# KiCad board 2000ATX.kicad_pcb (continued)
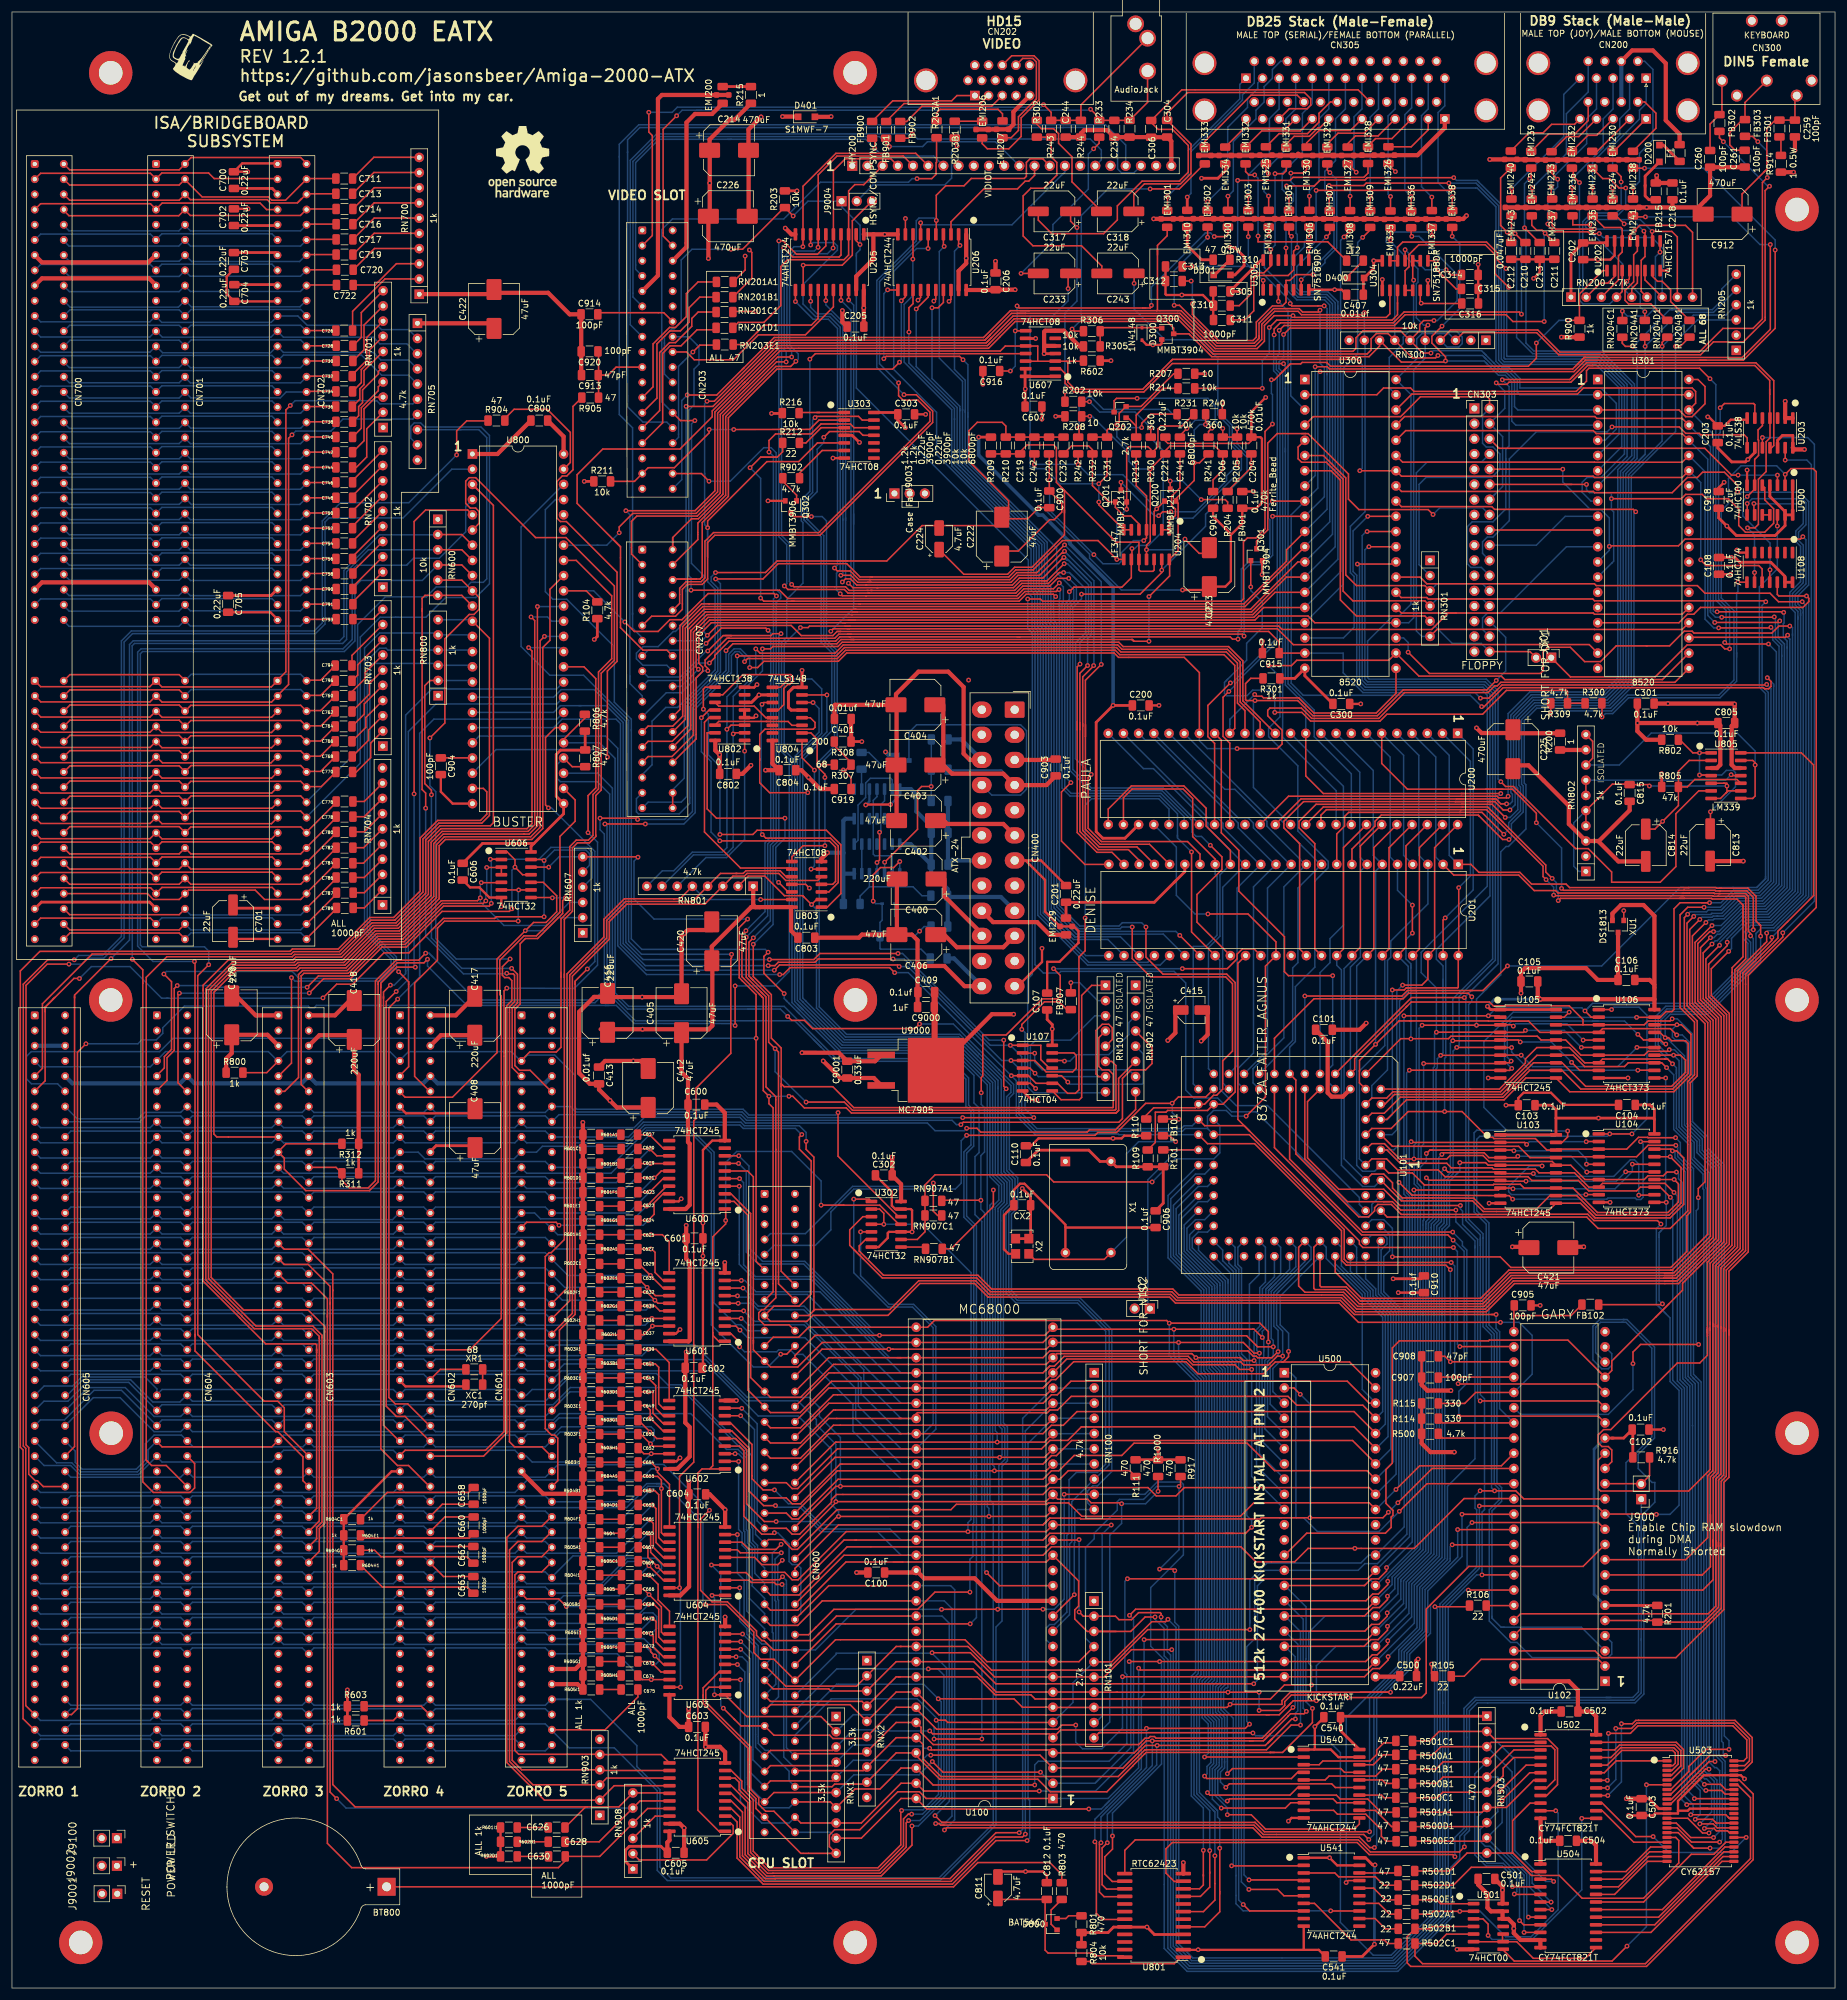
[diagram p0: board, top side]
## Routing (per net, layer and track width the routed paths; a pad name or vN(x,y) marks a point on that pad's centre or on a via; arc(x,y) is an arc through that point) (continued)
  Bottom w0.25: v1(54.28,31.65) 55.85,30.07 RN908.5 ; 3.78,121.89 4.76,120.91 23.12,120.91 24.1,121.89 25.08,120.91 43.44,120.91 44.42,121.89 45.4,120.91 63.76,120.91 64.74,121.89 65.72,120.91 84.08,120.91 85.06,121.89
BFC2: length 249.2
  Top w0.25: 52.73,24.18 56.79,20.12 91.36,20.12 92.51,21.26 C630.2 98.27,22 RN908.4 106.27,30 U605.17 ; CN603.35 46.11,117.79 50.1,117.79 52.73,115.16 52.73,112.13 ; 52.73,112.49 52.73,112.13 ; 52.73,112.13 52.73,24.2
  Bottom w0.25: 85.06,119.35 84.08,118.37 65.72,118.37 64.74,119.35 63.76,118.37 45.4,118.37 44.42,119.35 43.44,118.37 25.08,118.37 24.1,119.35 23.12,118.37 4.76,118.37 3.78,119.35
C1: length 356.6
  Top w0.25: 199.9,179.48 v1(199.95,179.48) 206.65,179.48 211.33,174.8 U201.36 209.57,170.76 209.57,148.92 v1(206.35,145.69) ; 173.92,156.26 177.53,156.26 177.94,155.85 177.94,153.71 177.33,153.1 172.9,153.1 171.01,154.99 U107.3 v1(167.03,154.99) ; U102.28 251.07,102.09 v1(241.21,102.09) 238.57,102.09 C907.1 ; v1(240.62,121.24) 223.28,121.24 222.74,121.78 222.74,126.74 206.88,142.6 U101.40 ; v1(127.46,170.08) 128.34,170.96 148.07,170.96 v1(148.34,170.69)
  Bottom w0.25: 94.91,212.03 101,212.03 101.73,211.29 101.73,174.35 106.01,170.08 v1(127.46,170.08) ; 94.91,212.03 91.98,212.03 90.56,210.62 U800.19 ; 94.91,212.03 95.06,212.03 ; v1(148.34,170.69) 149.78,170.69 150.08,170.4 ; 199.88,143.63 199.88,145.63 200.88,146.64 203.03,146.64 203.97,145.69 v1(206.35,145.69) ; 199.88,143.63 196.16,143.63 195.68,143.15 171.17,143.15 168.36,145.96 168.36,153.66 v1(167.03,154.99) 165.48,154.99 150.08,170.4 ; 199.88,143.63 U101.40 ; v1(241.21,102.09) 241.21,120.65 v1(240.62,121.24) ; v1(199.95,179.48) 197.78,179.48 194.67,182.58 194.67,190.64 U200.28 ; 150.08,170.4 149.87,170.6
C3: length 334.8
  Top w0.25: C908.1 239.57,105.56 v1(240.49,104.65) 251.05,104.65 U102.27 ; U101.39 199.88,141.09 207.75,141.09 222.29,126.55 222.29,121.59 223.09,120.79 239.74,120.79 v1(240.49,120.04) ; v1(147.57,169.67) 146.74,170.51 130.1,170.51 128.95,169.35 v1(128.36,169.35) ; v1(179.43,178.82) 179.43,173.33 178.39,172.29 178.39,150.09 177.8,149.5 176.48,149.5 174.8,151.18 171.22,151.18 169.95,152.45 U107.5 v1(167.08,152.45)
  Bottom w0.25: 94.98,209.2 99.23,209.2 101.28,207.15 101.28,174.17 106.1,169.35 v1(128.36,169.35) ; 94.98,209.2 78.11,209.2 U800.20 ; 94.98,209.2 95.37,209.2 ; v1(240.49,120.04) v1(240.49,104.65) ; v1(179.43,178.82) 179.43,197.66 180.49,198.73 191.72,198.73 193.45,197 U200.29 ; U101.39 185.06,142.6 184.96,142.7 170.99,142.7 167.91,145.78 167.91,151.62 v1(167.08,152.45) 149.86,169.67 v1(147.57,169.67)
D0: length 516.5
  Top w0.25: v1(122.15,59.16) U603.9 ; U300.33 232.32,250.08 264.38,250.08 264.59,249.88 277.58,249.88 280.12,252.42 281.78,252.42 282.65,253.29 286.31,253.29 288.49,251.1 v1(288.49,249.99) ; 186.05,11.46 182.35,11.46 181.31,12.5 181.31,24.18 v1(181.05,24.43) ; v1(153.44,42.96) 153.93,42.47 173.41,42.47 U100.5 175.32,43.11 189.41,43.11 v1(189.68,43.39) 206.2,43.39 v1(206.91,44.09) ; U106.2 264.03,162.23 v1(262.99,163.27) ; CN600.75 126.81,39.7 137.21,39.7 RNX1.3 137.38,40.7 ; U105.2 248.61,162.46 v1(246.84,162.46) v1(232.72,162.46)
  Bottom w0.25: v1(153.44,42.96) 143.97,42.96 143.8,43.14 140.65,43.14 RNX1.3 ; 183.1,30.26 182.94,30.1 ; 183.1,30.26 181.05,28.21 v1(181.05,24.43) ; 183.1,30.26 189.68,36.84 v1(189.68,43.39) ; U500.14 225.06,69.8 226.19,70.92 228.29,70.92 233.22,75.85 233.22,131.57 ; 122.17,59.16 124.33,57 124.33,40.23 CN600.75 ; v1(262.99,163.27) 264.26,164.54 282.83,164.54 290.23,171.94 290.23,174.56 289.5,175.28 289.5,176.35 290.75,177.6 294.35,177.6 299.49,182.73 299.49,229.79 ; v1(262.99,163.27) 262.47,163.79 248.17,163.79 v1(246.84,162.46) ; v1(262.99,163.27) 264.07,164.35 ; 299.49,229.79 299.49,230.4 298.59,231.3 298.59,232.65 300.39,234.45 300.39,248.4 300.36,248.4 298.82,249.95 288.46,249.95 ; 299.49,229.79 299.49,230.02 ; 233.22,131.57 233.22,132.18 232.72,132.68 v1(232.72,162.46) ; 233.22,131.57 233.22,131.47 ; 212.8,69.8 209.23,69.8 207.77,68.34 207.77,58.37 206.44,57.04 206.44,44.56 v1(206.91,44.09)
D1: length 469.4
  Top w0.25: 210.36,42.42 210.34,42.42 209.22,41.3 206.91,41.3 ; 210.36,42.42 209.4,41.46 ; 210.36,42.42 213.38,45.44 213.38,45.46 213.75,45.83 216.01,45.83 v1(216.41,46.23) ; U106.5 265.28,158.39 v1(262.69,158.39) ; v1(153.43,40.06) 153.7,39.79 154.23,39.79 173.55,39.78 U100.4 187.63,39.29 189.63,41.3 v1(190.65,41.3) 206.91,41.3 ; 206.91,41.3 207.54,41.3 ; CN600.77 126.81,37.16 137.21,37.16 RNX1.4 137.38,38.16 ; v1(182.07,24.28) 181.81,24.03 181.81,16.05 182.59,15.27 186.05,15.27 ; v1(271.48,246.68) 271.08,247.08 247.87,247.08 247.41,247.54 232.32,247.54 U300.32 ; v1(121.84,57.89) U603.8 ; 212.8,64.72 226.38,64.72 227.5,65.84 228.46,65.84 230.02,67.4 v1(230.02,67.97) ; v1(251,160.73) 250.77,160.96 U105.3 248.77,160.88 v1(235.76,160.88)
  Bottom w0.25: 190.65,41.45 v1(190.65,41.3) 190.65,37.17 182.07,28.59 v1(182.07,24.28) ; v1(262.69,158.39) 259.95,161.13 251.4,161.13 v1(251,160.73) ; v1(153.43,40.06) 152.47,40.06 152.11,40.42 144.43,40.42 144.25,40.6 140.65,40.6 RNX1.4 ; v1(216.41,46.23) 215.88,46.76 215.88,61.64 212.8,64.72 ; v1(235.76,160.88) 235.25,160.38 235.25,141.04 235.15,140.93 235.15,138.71 235.15,138.7 235.15,138.13 234.44,137.41 234.44,134.37 235.15,133.65 235.15,130.28 235.02,130.14 235.02,129.47 235.02,73.6 230.02,68.6 v1(230.02,67.97) ; 246.33,166.73 248.91,169.3 248.91,189.85 249.81,190.75 250.2,190.75 253.11,193.67 253.11,201.07 252.84,201.34 252.84,211.76 254.94,213.86 267.26,213.86 271.18,217.78 271.18,246.39 v1(271.48,246.68) ; 246.33,166.73 244.86,165.25 v1(244.86,160.88) ; 246.33,166.73 246.57,166.97 ; v1(121.84,57.89) 123.88,55.85 123.88,38.14 CN600.77
D2: length 438.3
  Top w0.25: v1(262.38,157.18) 265.28,157.18 U106.6 ; 210.36,41.35 210.62,41.61 ; 210.36,41.35 213.97,44.96 v1(214.58,44.96) ; 210.36,41.35 209.55,40.54 v1(191.47,40.54) 189.51,40.54 185.72,36.75 U100.3 171.88,38.91 v1(153.61,38.91) ; 210.62,41.61 209.95,40.93 210.62,41.61 ; v1(183.13,24.28) 182.26,23.41 182.26,17.27 183,16.54 186.05,16.54 ; 137.38,35.62 RNX1.5 137.21,34.62 126.81,34.62 CN600.79 ; v1(253.03,160.02) 252.7,159.69 U105.4 248.82,159.72 v1(238.15,159.72) ; v1(229.92,62.69) 229.92,62.12 228.56,60.76 227.31,60.76 226.19,59.64 212.8,59.64 ; v1(121.83,56.6) U603.7 ; v1(226.67,245.92) U300.31
  Bottom w0.25: 121.82,56.62 v1(121.83,56.6) 123.42,55.02 123.42,36.05 CN600.79 ; 212.8,59.64 214.98,57.46 214.98,46.32 214.58,45.92 v1(214.58,44.96) ; RNX1.5 140.65,38.06 152.15,38.06 153.01,38.91 v1(153.61,38.91) ; v1(262.38,157.18) 259.54,160.02 v1(253.03,160.02) ; v1(191.47,40.54) 191.39,40.46 191.39,37.27 183.13,29.02 v1(183.13,24.28) ; v1(226.67,245.92) 224.22,243.47 224.22,236.69 224.84,236.07 224.84,218.14 226.06,216.92 245.76,216.92 246.66,216.02 246.66,184.11 235.6,173.06 235.6,169.68 238.15,167.13 v1(238.15,159.72) 237.84,159.4 237.84,153.96 237.63,153.75 237.63,128.65 236.82,127.83 236.82,72.85 232.21,68.24 232.21,67.97 232.21,67.97 232.21,64.97 v1(229.92,62.69)
D3: length 447
  Top w0.25: U603.6 v1(121.06,55.35) ; v1(230.02,58.01) 230.02,57.45 228.26,55.68 227.44,55.68 226.32,54.56 v1(191.87,54.56) v1(186.79,54.56) ; v1(252.17,158.09) 251.84,158.42 U105.5 248.72,158.29 v1(240.89,158.29) ; RNX1.6 137.79,32.66 127.39,32.66 CN600.81 ; v1(153.87,37.85) 155.65,36.07 v1(171.96,36.07) ; 186.05,17.81 183.96,17.81 182.71,19.05 182.71,21.93 184,23.22 v1(184,25.4) ; v1(226.57,243.38) U300.30 ; U106.9 262.1,153.34 v1(260.76,154.69)
  Bottom w0.25: 247.56,214.84 247.56,171.95 240.89,165.29 v1(240.89,158.29) 240.49,157.89 240.49,152.86 ; 247.56,214.84 247.56,215.44 ; 247.56,214.84 247.56,216.4 246.14,217.82 226.46,217.82 225.74,218.53 225.74,242.71 226.42,243.38 v1(226.57,243.38) ; 240.49,152.86 240.49,136.24 239.43,135.19 239.43,127.8 238.64,127.01 238.64,72.13 234.01,67.5 234.01,62 v1(230.02,58.01) ; 240.49,152.86 240.49,152.32 ; v1(121.06,55.35) 122.07,55.35 122.97,54.45 122.97,33.96 CN600.81 ; RNX1.6 140.76,35.63 151.66,35.63 v1(153.87,37.85) 153.84,37.88 ; 192.19,51.65 192.19,54.24 v1(191.87,54.56) ; 192.19,51.65 192.19,51.85 ; 192.19,51.65 192.19,37.44 184,29.24 v1(184,25.4) ; v1(260.76,154.69) 257.35,158.09 v1(252.17,158.09) ; v1(186.79,54.56) 187.07,54.28 187.07,40.2 181.91,35.05 ; 181.2,34.34 181.91,35.05 ; 181.91,35.05 181.08,34.21 U100.2 173.81,34.21 v1(171.96,36.07)
D4: length 418.5
  Top w0.25: U603.4 118.2,52.81 115.55,50.15 115.55,48.95 ; v1(250.72,157.15) U105.6 248.82,157.18 v1(241.55,157.18) ; v1(226.87,240.84) U300.29 ; 123.07,38.13 123.07,40.07 115.55,47.59 115.55,48.95 ; 123.07,38.13 123.07,32.96 124.38,31.64 124.38,30.01 CN600.83 131.89,22.5 RNX1.10 136.67,23.63 136.67,25.58 137.54,26.46 141.76,26.46 148.1,32.8 151.72,32.8 152.85,31.67 U100.1 ; 123.07,38.13 123.07,38.31 ; 115.55,48.95 115.55,48.55 ; v1(188.37,53.44) 188.66,53.14 226.56,53.14 U500.23 ; U106.12 274.58,153.37 v1(271.83,153.37)
  Bottom w0.25: U100.1 183.25,31.67 188.37,36.79 v1(188.37,53.44) ; v1(226.87,240.84) 226.72,240.84 226.19,240.31 226.19,218.72 226.64,218.27 246.32,218.27 248.01,216.58 248.01,214.99 248.01,171.76 241.95,165.71 241.95,157.58 v1(241.55,157.18) 240.94,156.56 240.94,136.05 239.88,135 239.88,127.62 239.09,126.83 239.09,71.95 234.46,67.31 234.46,60.98 228.04,54.56 ; v1(250.72,157.15) 250.72,156.41 253.77,153.37 v1(271.83,153.37)
D5: length 414.5
  Top w0.25: v1(180.04,29.92) 152.93,29.92 U100.64 148.64,31.67 142.01,25.04 RNX1.9 ; v1(189.28,58.22) 189.29,58.22 226.56,58.22 U500.25 ; v1(271.68,157.18) 274.47,157.18 ; U603.2 116.54,50.27 116,49.73 116,47.78 123.52,40.26 123.52,33.14 124.85,31.81 124.85,30.69 126,29.54 127.39,29.54 CN600.86 ; U300.28 231.04,237.95 v1(224.94,237.95) ; v1(252.32,155.88) U105.7 248.82,155.85 v1(238.86,155.85)
  Bottom w0.25: 183.42,31.21 182.13,29.92 v1(180.04,29.92) ; 183.42,31.21 188.82,36.61 188.82,48.56 189.28,49.02 v1(189.28,58.22) ; 183.42,31.21 182.76,30.55 ; RNX1.9 136.82,26.02 CN600.86 ; 228.04,59.64 232.66,64.26 232.66,68.06 237.27,72.67 237.29,127.05 237.29,127.06 237.29,127.67 238.08,128.46 238.08,153.57 238.3,153.79 238.3,155.3 v1(238.86,155.85) ; v1(271.68,157.18) 268.46,153.96 254.24,153.96 v1(252.32,155.88) ; 239.26,166.97 239.26,168.55 ; 239.26,166.97 239.26,170.8 238.14,171.91 238.14,173.53 247.11,182.49 247.11,216.21 245.95,217.37 226.27,217.37 225.29,218.35 225.29,237.6 v1(224.94,237.95) ; 239.26,166.97 239.26,156.25 v1(238.86,155.85) ; v1(238.86,155.85) 238.88,155.87
D6: length 466.1
  Top w0.25: U603.3 121.77,51.54 v1(121.79,51.51) ; v1(299.31,231.65) 295.35,231.65 293.93,233.07 283.06,233.07 281.78,234.35 264.88,234.35 264.57,234.65 236.55,234.65 235.43,235.76 U300.27 ; v1(271.83,159.36) 272.77,158.42 U106.16 ; v1(171.75,32.92) 152.48,32.92 U100.63 148.64,34.21 142.01,27.58 RNX1.8 131.89,27.58 CN600.84 ; v1(186.84,62.28) 187.87,63.3 226.56,63.3 U500.27 ; U106.16 275.63,158.42 276.31,157.73 v1(276.5,157.73) ; U106.16 274.58,158.39 ; v1(250.65,154.89) 250.37,154.61 U105.8 248.72,154.48 v1(236.02,154.48)
  Bottom w0.25: 264.28,161.58 269.61,161.58 v1(271.83,159.36) ; 264.28,161.58 265.21,161.58 ; 264.28,161.58 250.78,161.58 250,160.8 250,155.54 v1(250.65,154.89) ; 291.58,176.21 292.52,177.15 294.54,177.15 299.94,182.55 299.94,231.02 v1(299.31,231.65) ; 291.58,176.21 291.86,176.49 ; 291.58,176.21 291.58,171.38 283.36,163.16 277.07,163.16 275.68,161.77 275.68,157.99 275.94,157.73 v1(276.5,157.73) ; v1(121.79,51.51) 121.79,31.15 125.36,27.58 129.93,27.58 CN600.84 ; 228.04,64.72 230.75,67.43 230.75,68.69 235.47,73.41 235.47,129.95 235.6,130.09 235.6,133.84 234.95,134.49 234.95,137.29 235.6,137.94 235.6,138.89 235.6,138.89 235.6,140.6 236.02,141.02 v1(236.02,154.48) ; v1(171.75,32.92) 181.15,32.92 187.52,39.28 187.52,61.61 v1(186.84,62.28)
D7: length 454.8
  Top w0.25: U603.5 121.26,54.08 v1(121.28,54.05) ; CN600.82 136.82,31.1 RNX1.7 140.94,33.27 145.15,33.27 148.64,36.75 U100.62 154,33.93 v1(170.99,33.93) ; 228.04,69.8 226.63,68.38 v1(186.49,68.38) ; U300.26 232.27,232.35 236.54,232.35 236.78,232.11 264.28,232.11 264.59,231.81 293.06,231.81 v1(293.22,231.65) ; v1(271.63,162.2) 274.58,162.2 U106.19 275.63,162.23 276.57,163.17 277.52,163.17 277.88,163.53 277.88,180.34 278.89,181.36 v1(283.82,181.36) 282.47,181.36 ; v1(233.63,153.37) 248.82,153.37 U105.9 250.42,153.34 v1(250.75,153.67)
  Bottom w0.25: v1(250.75,153.67) 249.55,154.87 249.55,160.99 250.77,162.2 250.78,162.19 271.62,162.19 v1(271.63,162.2) ; 292.61,224.69 292.61,231.04 v1(293.22,231.65) ; 292.61,224.69 292.61,217.52 293.64,216.49 293.64,185.16 291.93,183.45 287.83,183.45 285.74,181.36 v1(283.82,181.36) ; 292.61,224.69 292.61,224.89 ; v1(170.99,33.93) 170.99,37.29 171.6,37.9 183.44,37.9 186.4,40.86 186.4,52.37 186.07,52.7 186.07,67.96 v1(186.49,68.38) ; v1(233.63,153.37) 233.17,152.9 233.17,134.08 233.17,132.87 233.67,132.37 233.67,75.42 228.04,69.8 ; CN600.82 129.93,30.12 125.36,30.12 122.52,32.96 122.52,52.82 v1(121.28,54.05)
D8: length 404.3
  Top w0.25: 210.31,39.36 211.07,39.36 ; 210.31,39.36 210.43,39.36 210.44,39.37 212.44,39.37 217.42,44.35 v1(217.42,46.74) ; 210.31,39.36 189.63,39.36 189.35,39.09 189.33,39.09 187.4,37.16 187.4,37.13 183.07,32.8 173.6,32.8 171.51,34.89 155.12,34.89 151.18,38.83 U100.61 147.83,39.29 RNX2.9 142.61,34.08 137.54,34.08 137.11,33.64 CN600.80 ; v1(263.19,141.43) 263.22,141.45 U104.2 ; v1(253.24,140.97) 252.91,141.3 U103.2 234.06,141.3 v1(233.93,141.43) ; U604.2 v1(121.67,66.88) ; 212.8,67.26 226.14,67.26 227.26,68.38 228.51,68.38 229.82,69.69 v1(229.82,70.26)
  In1.Cu w0.25: v1(263.19,141.43) 264.08,142.31 264.08,157.04 264.41,157.38 264.41,164.73 265.6,165.92 265.6,210.28 264.21,211.67 264.21,213.12 266.12,215.02 267.46,215.02 274.89,222.44 274.89,245.52 U301.33
  Bottom w0.25: v1(253.24,140.97) 253.7,141.43 v1(263.19,141.43) ; v1(233.93,141.43) 233.62,141.11 233.62,133.05 234.12,132.55 234.12,74.55 v1(229.82,70.26) ; v1(121.67,66.88) 121.67,61.32 122.87,60.11 122.87,59.09 124.78,57.19 124.78,40.87 125.94,39.7 126.44,39.7 129.93,36.21 129.93,34.62 CN600.80 ; 212.8,67.26 216.36,63.7 216.36,55.02 216.33,54.99 216.33,47.83 v1(217.42,46.74)
D9: length 403.3
  Top w0.25: 237.1,140.02 237.43,140.02 ; 237.43,140.02 248.83,140.02 U103.3 250.98,140.03 v1(251.1,139.9) ; 237.43,140.02 237.05,140.02 v1(236.47,139.45) ; U104.5 263.27,137.64 v1(263.25,137.67) ; RNX2.8 142.32,36.33 131.06,36.33 CN600.78 ; RNX2.8 147.83,41.83 U100.60 152.31,40.71 152.31,38.34 155.31,35.34 184.94,35.34 189.42,39.81 ; RNX2.8 142.52,36.53 ; v1(128.75,67.44) 127.78,67.44 127.45,67.77 123.61,67.77 123.24,68.15 U604.3 ; 212.8,62.18 226.14,62.18 227.53,63.58 228.63,63.58 229.97,64.92 v1(229.97,65.48) ; v1(215.43,43.94) 213.87,43.94 209.74,39.81 189.42,39.81 ; 189.42,39.81 189.57,39.81
  In1.Cu w0.25: v1(263.25,137.67) 264.53,138.95 264.53,156.86 264.91,157.24 264.91,164.59 266.05,165.74 266.05,210.47 264.66,211.86 264.66,212.93 266.3,214.57 267.65,214.57 275.34,222.26 275.34,243.43 U301.32
  Bottom w0.25: v1(215.43,43.94) 215.43,59.55 212.8,62.18 ; v1(263.25,137.67) 263.25,138.53 261.87,139.9 v1(251.1,139.9) ; v1(128.75,67.44) 129.03,67.16 129.03,38.61 130.91,36.73 CN600.78 ; v1(236.47,139.45) 236.47,138.17 235.46,137.16 235.46,134.87 236.05,134.28 236.05,128.34 235.92,128.2 235.92,127.51 235.92,73.23 231.2,68.51 231.2,66.71 v1(229.97,65.48)
D10: length 397
  Top w0.25: v1(128.83,68.74) 128.31,68.22 123.93,68.22 122.73,69.42 U604.4 ; CN600.76 131.35,39.16 142.61,39.16 RNX2.7 ; RNX2.7 147.83,44.37 U100.59 151.98,43.57 151.98,42.72 154.02,40.68 188.38,40.68 189.45,41.75 190.03,41.75 190.3,42.03 191,42.03 191.28,41.75 209.03,41.75 214.25,46.96 ; RNX2.7 142.52,39.07 ; 212.8,57.1 226.07,57.1 227.19,58.22 228.41,58.22 229.97,59.78 v1(229.97,60.45) ; v1(263.3,136.35) 263.32,136.37 U104.6 ; v1(251.76,138.99) 251.54,138.76 U103.4 246.93,138.76 246.13,139.57 239.34,139.57 v1(239.06,139.29)
  In1.Cu w0.25: 266.5,158.55 266.5,145.08 265.06,143.63 265.06,138.11 v1(263.3,136.35) ; 266.5,158.55 266.5,160.09 266.38,160.21 ; 266.5,158.55 266.5,159.71 ; 266.38,160.21 265.36,161.23 ; 266.38,160.21 265.36,161.23 ; 265.36,161.23 265.36,163 ; 265.36,161.23 265.36,163 ; U301.31 275.83,241.39 275.83,222.12 267.84,214.12 266.49,214.12 265.11,212.74 265.11,212.05 266.5,210.65 266.5,165.55 265.36,164.41 265.36,163
  Bottom w0.25: 214.53,48.82 214.53,48.51 ; 214.53,48.82 214.53,55.37 212.8,57.1 ; 214.53,48.82 214.53,47.24 v1(214.17,46.89) ; v1(251.76,138.99) 260.65,138.99 v1(263.3,136.35) ; v1(128.83,68.74) 129.48,68.09 129.48,67.48 129.48,67.48 129.48,40.15 CN600.76 ; v1(229.97,60.45) 233.11,63.59 233.11,67.87 237.74,72.51 237.74,127.48 238.53,128.27 238.53,138.76 v1(239.06,139.29)
D11: length 404.3
  Top w0.25: 118.9,46.79 v1(118.92,46.76) 120.68,45.01 ; v1(255.83,137.36) 255.7,137.49 U103.5 248.83,137.5 246.8,137.5 246.38,137.92 v1(242.06,137.92) ; v1(177.85,43.94) 175.51,43.94 174.82,43.25 154.59,43.25 151.18,46.65 U100.58 147.83,46.91 RNX2.6 142.61,41.7 137.25,41.7 136.71,42.24 127.39,42.24 CN600.71 121.88,43.8 120.68,45.01 ; 120.88,44.8 120.68,45.01 ; U104.9 265.28,132.59 v1(263.14,132.59) ; v1(230.07,55.37) 230.07,54.81 228.65,53.38 227.5,53.38 226.14,52.02 v1(185.67,52.02) ; 230.07,54.93 230.07,55.32 ; U604.5 v1(116.94,70.69)
  In1.Cu w0.25: 266.95,170.43 266.95,170.18 ; 266.95,170.43 266.95,165.36 265.81,164.22 265.81,161.41 266.95,160.27 266.95,144.89 265.51,143.44 265.51,134.95 v1(263.14,132.59) ; 266.95,170.43 266.95,212.6 276.28,221.93 276.28,239.3 U301.30
  Bottom w0.25: v1(118.92,46.76) 118.5,47.18 118.5,69.13 v1(116.94,70.69) ; 241.48,135.96 242.06,136.54 v1(242.06,137.92) ; 241.48,135.96 240.33,134.81 240.33,127.41 239.57,126.64 239.54,71.76 234.91,67.13 234.91,60.21 v1(230.07,55.37) ; 241.48,135.96 241.76,136.24 ; v1(185.67,52.02) 185.67,43.43 182.22,39.98 178.97,39.98 177.85,41.1 v1(177.85,43.94) ; v1(263.14,132.59) 250.7,132.59 250.23,133.06 250.23,133.9 253.69,137.36 v1(255.83,137.36)
D12: length 400.2
  Top w0.25: 213.05,46.84 214.22,48.01 v1(218.08,48.01) ; 213.05,46.84 211.87,45.66 209.72,45.66 ; 213.05,46.84 213.82,47.6 ; v1(128.79,71.48) 128.07,70.76 125.36,70.76 124.16,71.96 U604.6 ; U104.12 274.52,132.49 v1(271.98,132.49) ; U103.6 248.72,136.35 240.08,136.35 v1(239.52,136.91) ; U103.6 248.97,136.09 v1(254.36,136.09) ; U103.6 248.77,136.3 ; 209.72,45.66 210.25,45.66 ; 209.72,45.66 154.98,45.66 U100.57 147.83,49.45 RNX2.5 140.13,47.35 135.64,47.35 ; 134.52,47.35 135.64,47.35 ; 135.64,47.35 126.84,47.35 CN600.69
  In1.Cu w0.25: v1(271.98,132.49) 265.96,138.51 265.96,143.26 267.4,144.7 267.4,160.46 266.26,161.6 266.26,164.03 267.4,165.18 267.4,212.42 276.73,221.74 276.73,237.21 U301.29
  Bottom w0.25: v1(239.52,136.91) 238.98,136.37 238.98,135.92 ; CN600.69 128.16,48.67 128.16,64.8 128.03,64.94 128.03,70.72 v1(128.79,71.48) ; 238.98,135.16 238.98,128.09 238.19,127.3 238.19,72.32 233.56,67.68 233.56,62.62 228.04,57.1 221.34,57.1 218.08,53.85 v1(218.08,48.01) ; 238.98,135.16 238.98,135.38 ; 238.98,135.16 238.98,135.92 ; 238.98,135.92 238.98,136.11 ; v1(271.98,132.49) 271.98,137.67 271.26,138.39 270.57,138.39 267.8,135.62 254.83,135.62 v1(254.36,136.09)
D13: length 380.5
  Top w0.25: 164.12,49.26 164.22,49.16 ; 164.22,49.16 164.38,49 170.35,49 171.05,48.3 210.41,48.3 212.75,50.65 v1(217.27,50.65) ; 164.22,49.16 161.39,51.99 U100.56 148.2,51.99 ; U103.7 248.97,134.82 v1(253.14,134.82) ; U103.7 248.81,134.98 236.87,134.98 v1(236.47,135.38) ; U103.7 248.82,134.92 ; 148.51,51.99 148.2,51.99 ; 148.2,51.99 147.83,51.99 RNX2.4 142.12,47.9 126.81,47.9 CN600.67 ; U604.7 121.27,73.23 121.78,72.73 v1(128.63,72.73) ; U104.15 274.58,136.4 v1(269.8,136.4)
  In1.Cu w0.25: v1(269.8,136.4) 266.41,139.79 266.41,143.07 267.85,144.52 267.85,160.64 266.71,161.79 266.71,163.85 267.85,164.99 267.85,210.93 267.85,212.23 277.18,221.56 277.18,235.12 U301.28
  Bottom w0.25: 236.37,126.89 236.37,128.02 ; 236.37,126.89 236.37,73.04 231.73,68.4 231.73,65.86 228.04,62.18 219.56,62.18 216.81,59.43 216.81,54.25 217.27,53.78 v1(217.27,50.65) ; 236.37,126.89 236.37,128.02 ; v1(236.47,135.38) 236.87,134.98 236.87,128.52 236.37,128.02 ; CN600.67 127.71,50.76 127.71,64.62 127.58,64.75 127.58,71.67 v1(128.63,72.73) ; v1(253.14,134.82) 268.22,134.82 v1(269.8,136.4)
D14: length 374.1
  Top w0.25: U103.8 248.51,133.35 v1(234.39,133.35) ; U103.8 250.83,133.68 v1(250.95,133.55) ; U103.8 248.61,133.45 ; 128.54,74.2 v1(128.59,74.15) 127.74,73.3 123.2,73.3 122,74.5 U604.8 ; U104.16 270.94,137.64 v1(270.92,137.67) ; v1(207.61,50.84) 164.48,50.84 160.79,54.53 U100.55 147.83,54.53 RNX2.3 136.92,49.63 136.56,49.99 127.26,49.99 CN600.65
  In1.Cu w0.25: U301.27 277.63,233.03 277.63,221.37 268.3,212.04 268.3,210.74 268.3,140.28 v1(270.92,137.67)
  Bottom w0.25: 207.68,50.92 v1(207.61,50.84) 208.22,51.45 208.22,67.2 209.41,68.38 226.92,68.38 228.04,67.26 234.57,73.78 234.57,133.17 v1(234.39,133.35) ; CN600.65 127.26,52.85 127.26,59.32 127.13,59.45 127.13,72.69 v1(128.59,74.15) ; v1(250.95,133.55) 268.03,133.55 270.92,136.44 v1(270.92,137.67) 270.87,137.72
D15: length 365.9
  Top w0.25: 248.61,132.64 U103.9 ; U103.9 236.37,132.49 234.04,132.49 v1(231.9,134.62) ; U103.9 250.32,132.41 v1(250.9,131.83) ; 148.64,57.07 147.83,57.07 RNX2.2 141.19,50.44 129.35,50.44 CN600.63 ; 148.64,57.07 159.83,57.07 163.78,53.12 183.11,53.12 189.88,59.89 v1(206.96,59.89) ; 148.64,57.07 148.51,57.07 ; v1(272.29,141.43) 274.58,141.43 U104.19 ; v1(121.27,75.77) U604.9
  In1.Cu w0.25: U301.26 278.08,230.94 278.08,221.18 268.75,211.86 268.75,145.88 272.29,142.35 v1(272.29,141.43)
  Bottom w0.25: U500.30 226.84,72.34 225.53,71.03 209.82,71.03 206.96,68.16 206.96,61.42 ; 232.11,132.13 232.41,131.83 ; 232.41,131.83 232.77,131.47 232.77,77.06 228.04,72.34 ; 232.41,131.83 231.9,132.33 v1(231.9,134.62) ; 206.96,61.42 206.96,61.01 ; 206.96,61.42 v1(206.96,59.89) ; v1(250.9,131.83) 266.64,131.83 266.83,132.02 271.38,132.02 271.64,131.76 272.33,131.76 272.71,132.14 272.71,141.01 v1(272.29,141.43) ; 121.27,75.77 121.27,69.32 122.4,68.19 122.4,61.44 123.32,60.52 123.32,59.52 125.36,57.48 126.3,57.48 126.81,56.97 126.81,54.94 CN600.63
DIR: length 18.2
  Top w0.25: U301.11 264.87,243.64 CN303.18
DKWE: length 219
  Top w0.25: 283.96,78.02 283.96,79.04 283.96,79.04 ; 283.96,78.02 283.96,85.42 284.81,86.27 284.81,110.52 ; 283.96,78.02 283.96,70.4 282.6,69.04 281.79,69.04 ; 288.04,167.84 288.01,123.92 284.81,120.72 284.81,110.52 ; 288.04,167.84 288.04,167.89 288.04,167.9 288.04,170.14 289.86,171.97 289.86,176.78 ; 288.04,167.84 288.04,169.27 ; 242.16,196.9 219.76,196.9 218.85,195.99 U200.39 ; 242.16,196.9 246.54,196.9 255.98,187.45 255.98,185.72 v1(256.49,185.22) ; 242.16,196.9 242.42,196.9 ; 279.41,182.53 278.99,182.53 ; 279.41,182.53 257.85,182.53 v1(257.76,182.63) ; 279.41,182.53 284.35,182.53 284.46,182.43 285.34,182.43 ; 285.34,182.43 289.68,182.43 289.86,182.24 289.86,176.78 ; 285.34,182.43 285.16,182.43 ; 281.79,69.04 U102.8 ; 281.79,69.04 282.64,69.04 ; 284.81,110.52 284.81,110.91 ; 289.86,176.78 289.86,177.95
  Bottom w0.25: v1(257.76,182.63) 257.76,183.95 v1(256.49,185.22)
DMAL: length 62.2
  Bottom w0.25: U101.18 218.69,169.67 220.36,171.34 220.36,175.35 222.61,177.6 222.61,188.56 222.61,188.57 222.61,200.81 U200.12
DMAOUT: length 163.3
  Top w0.25: 117.17,109.52 117.17,109.06 118.15,108.08 U601.1 ; 117.17,109.52 117.17,87.27 116.64,86.74 ; 117.17,109.52 117.17,125.53 119.32,127.68 v1(119.32,128.25) 119.32,130.03 U600.1 ; U602.1 116.64,86.74 ; 116.64,86.74 115.37,86.74 114.68,86.06 114.68,76.96 ; 114.68,76.96 114.68,29.71 118.2,26.19 U605.1 ; 114.68,76.96 114.68,77.57 ; U302.11 148.27,127.62 145.09,130.81 139.06,130.81 ; v1(135.29,130.82) 139.05,130.82 139.06,130.81 ; 139.06,130.81 138.14,130.81
  Bottom w0.25: v1(135.29,130.82) 135.29,134.86 130.36,139.79 121.16,139.79 119.32,137.95 v1(119.32,128.25)
DOE: length 372
  Top w0.25: R601.2 63.75,44.7 64.74,45.69 ; v1(74.35,256.18) 74.35,260.2 76.02,261.87 79.55,261.87 R904.1 79.23,261.92 ; CN605.93 2.3,47.2 2.3,90.17 1.9,90.58 1.9,167.74 5.98,171.82 v1(10.41,171.82)
  Bottom w0.25: 85.06,45.69 84.08,44.71 65.72,44.71 64.74,45.69 63.76,44.71 45.4,44.71 44.42,45.69 43.44,44.71 25.08,44.71 24.1,45.69 23.12,44.71 4.76,44.71 3.78,45.69 ; v1(74.35,256.18) 66.36,248.2 54.93,248.2 51.89,245.16 51.89,228.12 50.55,226.77 19.97,226.77 18.3,225.1 18.3,175.7 15.14,172.54 11.14,172.54 v1(10.41,171.82)
DRA0: length 121.2
  Top w0.25: v1(199.39,38.61) 215.95,38.61 U540.2
  Bottom w0.25: v1(199.39,38.61) 200.01,39.22 200.01,44.13 198.98,45.16 198.98,51.29 199.69,52 199.69,102.08 198.82,102.96 198.82,116.48 193.29,122 193.29,132.43 U101.43
DRA1: length 127
  Top w0.25: U540.4 214.95,36.04 213.91,35.01 199.79,35.01 v1(199.39,35.41)
  Bottom w0.25: v1(199.39,35.41) 199.8,35.81 199.8,37.02 200.46,37.68 200.46,44.32 199.43,45.35 199.43,51.1 200.14,51.82 200.14,102.27 199.27,103.15 199.27,116.66 193.74,122.19 193.74,131.87 197.88,136.01 199.41,136.01 U101.44
DRA2: length 124.7
  Top w0.25: U540.6 214.95,33.5 213.69,32.24 200.27,32.24 v1(199.87,32.64)
  Bottom w0.25: 199.85,32.61 v1(199.87,32.64) 200.25,33.01 200.25,36.84 200.91,37.5 200.91,44.5 199.88,45.53 199.88,50.91 200.59,51.63 200.59,102.5 199.72,103.38 199.72,116.85 194.19,122.38 194.19,130.79 U101.45
